# Altium PCB HACK_LINK_V1_new_power.PcbDoc (part 2 of 6) (continued)
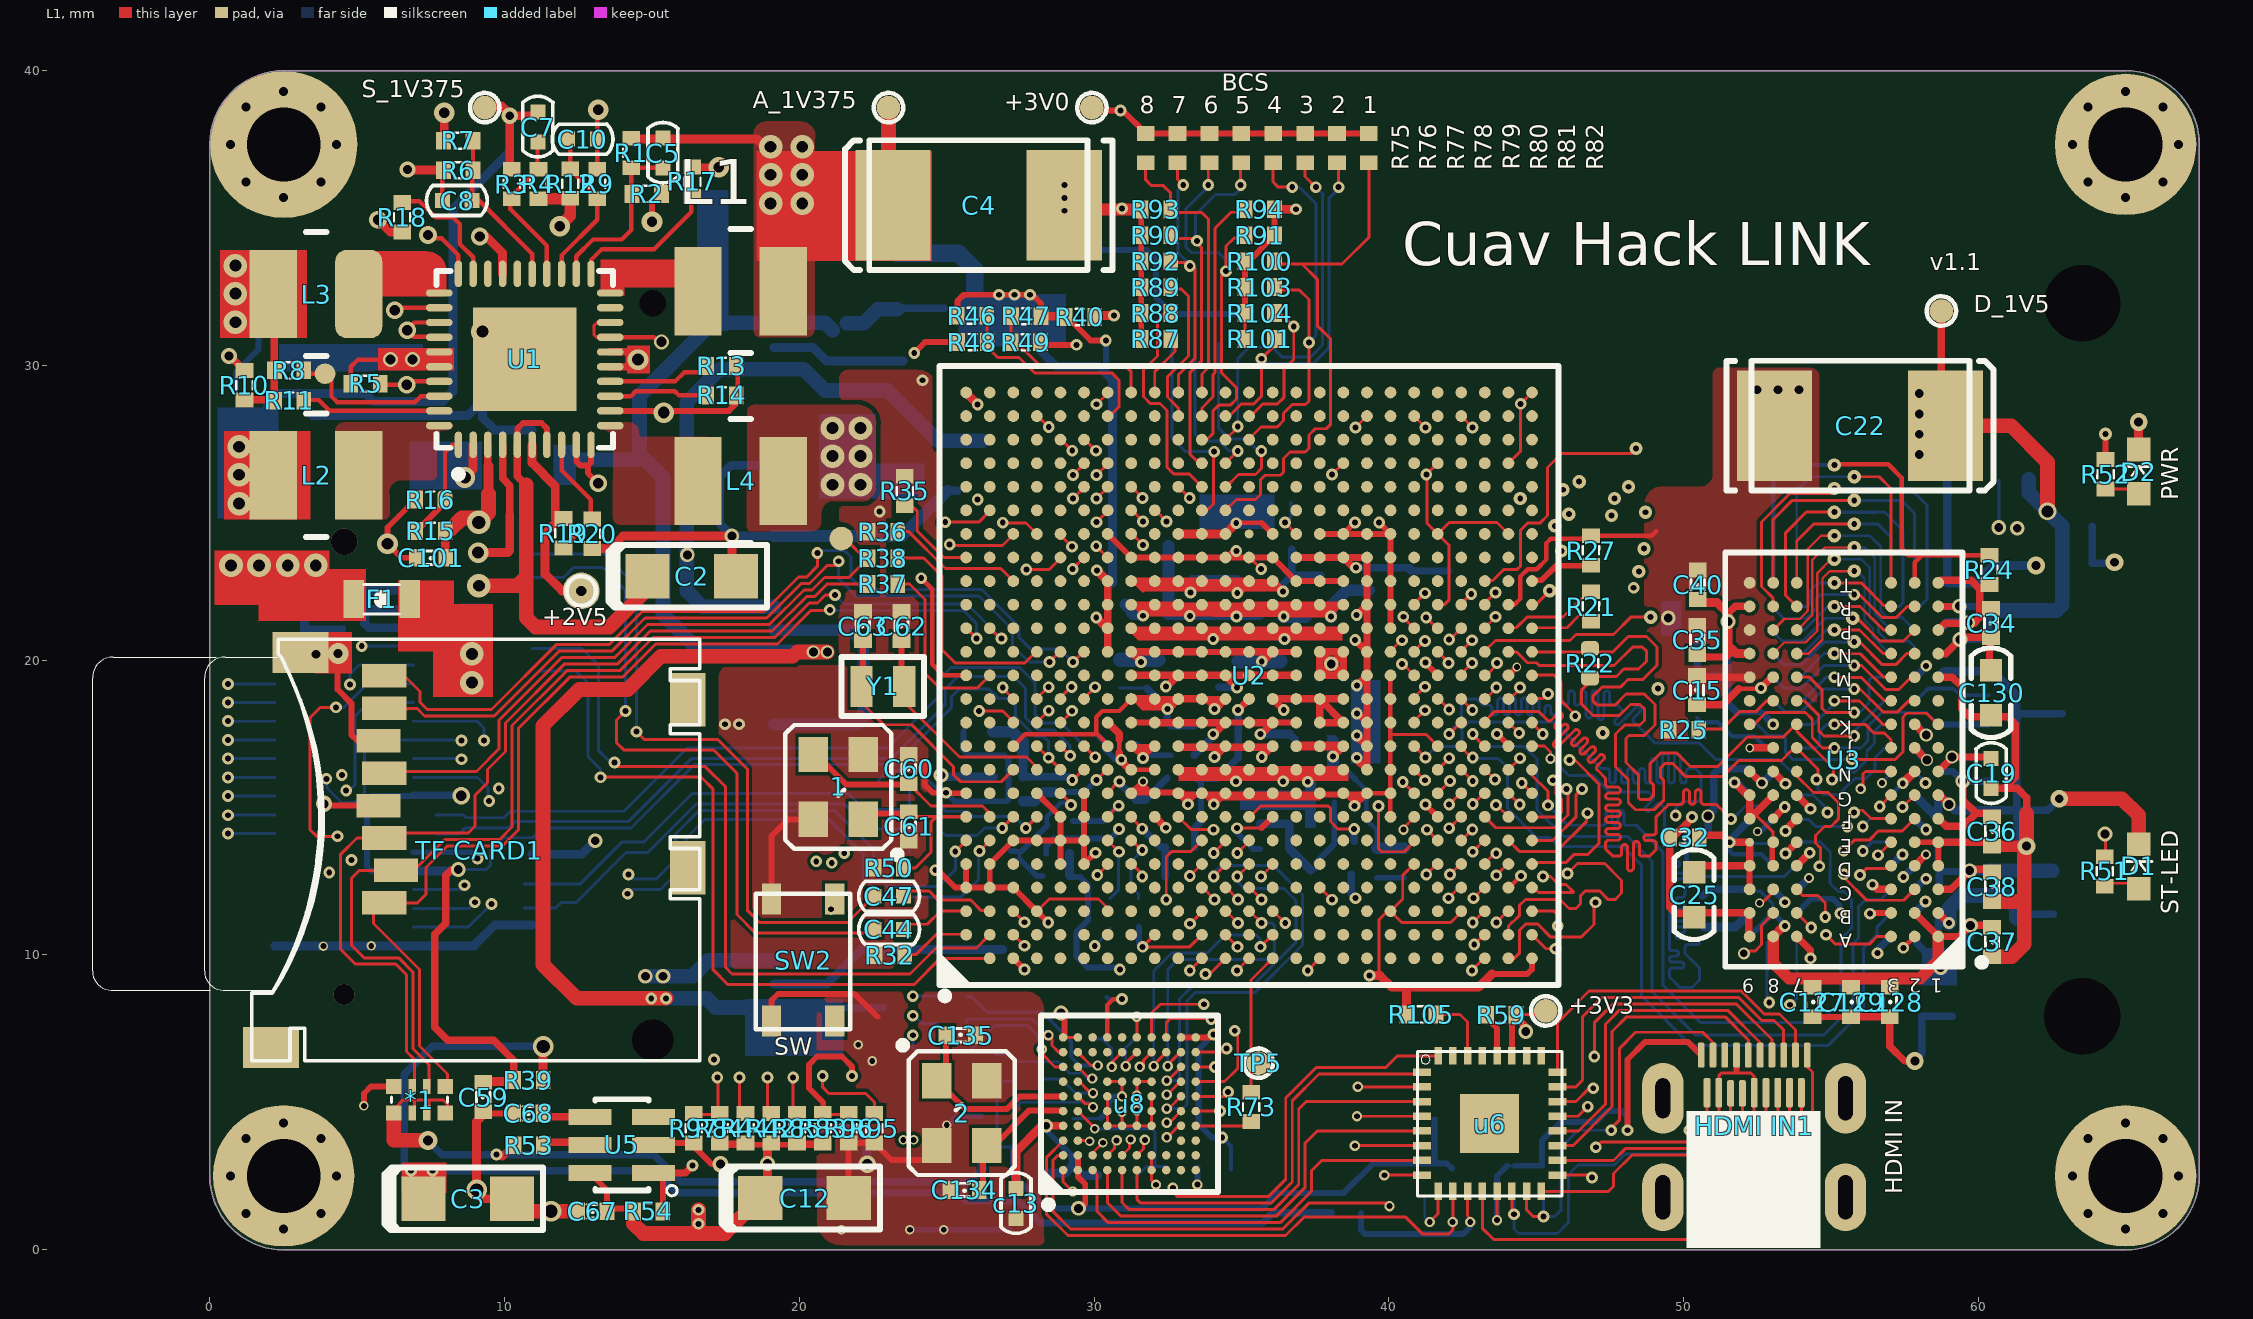
[diagram p0: L1 view]
## Nets (pads, with @x,y where several pads share a name; then routed paths per layer and width w, separated by ;. In a path a pad name is that pad's centre, name@x,y a point inside that pad or via, vN(x,y) a via of type N, cw(c..) or ccw(c..) an arc to the next point about the centre after c; other vN are vias at no path point) (continued)
  L1 w0.254: U2.H13@31.26,19.484 U2.J13@32.06,19.484 U2.K13@32.86,19.484 ; U2.J11@32.06,17.884 U2.K11@32.86,17.884 U2.L11@33.66,17.884 ; v1@32.485,19.109 U2.K13@32.86,19.484 ; U2.L11@33.66,17.834 U2.L11@33.66,17.884 ; v1@34.035,17.459 U2.M11@34.46,17.884 U2.L11@33.66,17.884 ; U2.M13@34.475,19.45 v1(34.85,19.075) ; U2.N11@35.26,17.884 U2.P11@36.06,17.884 v1@35.635,17.459 ; U2.R13@36.86,19.484 U2.P13@36.06,19.484 U2.N13@35.26,19.484 U2.M13@34.46,19.484 U2.L13@33.66,19.484 U2.K13@32.86,19.484
  L6 w0.1: v1@34.041,17.416 v1(34.041,17.49)
  L6 w0.25: C76.1@33.4,16.775 v1@34.041,17.416
  L6 w0.254: C74.1@34.225,19.075 v1(34.85,19.075) ; C77.1@36.635,17.49 C77.1@36.825,17.3
  L6 w0.3: v1(35.641,17.49) C77.1@36.635,17.49
  other v1: 32.435,19.109
+1V5_DDR: C10.1 C11.1 C20.1 C21.1 C22.A C23.1 C24.1 C25.1 C27.1 C28.1 C29.1 C30.1 C31.1 C32.1 C33.1 C34.1 C35.1 C36.1 C37.1 C38.1 C39.1 C40.1 C116.1 C117.1 C118.1 C119.1 C120.1 C121.1 C125.1 C126.1 C127.1 C128.1 C129.1 C130.1 C131.1 D_1V5.1 L4.2 pad.11@21.625,27.425 R9.2 R28.2 SH2.1 U2.R18 U2.T18 U2.U18 U2.V9 U2.V10 U2.V11 U2.V12 U2.V13 U2.V14 U2.V15 U2.V16 U2.V17 U2.V18 U3.A1 U3.A8 U3.B2 U3.C1 U3.C9 U3.D2 U3.D9 U3.E9 U3.F1 U3.G7 U3.H2 U3.H9 U3.K2 U3.K8 U3.N1 U3.N9 U3.R1 U3.R9 U4.A1 U4.A8 U4.B2 U4.C1 U4.C9 U4.D2 U4.D9 U4.E9 U4.F1 U4.G7 U4.H2 U4.H9 U4.K2 U4.K8 U4.N1 U4.N9 U4.R1 U4.R9 | length 124.1
  L1 w0.1: U3.K8@52.949,17.824 v2(53.044,17.824) ; v1@53.405,10.985 v1(53.438,10.985)
  L1 w0.15: R9.2@13.142,36.66 C10.1@13.142,37.679 v11@13.142,38.642 ; U3.H9@52.244,16.224 U3.H9@52.244,16.268 ; v2(53.044,17.824) 53.044,17.814 53.053,17.823 U3.K8@53.053,17.826
  L1 w0.2: U3.C9@52.244,12.224 U3.D9@52.244,13.024
  L1 w0.25: U2.R18@36.86,23.484 U2.T18@37.66,23.484 U2.U18@38.46,23.484 ; v1@38.785,23.159 U2.U18@38.46,23.484 ; v1(38.86,20.684) U2.V14@39.26,20.284 ; v1@38.885,16.659 U2.V9@39.26,16.284 U2.V10@39.26,17.084 ; v1@38.91,19.134 U2.V13@39.26,19.484 ; v1(38.91,21.534) U2.V16@39.26,21.884 ; v1@38.919,17.425 U2.V10@39.26,17.084 ; v1@38.935,18.209 U2.V11@39.26,17.884 ; C32.1@50.41,14.059 51.335,14.059 v1(51.57,13.824) U3.E9@52.244,13.824 U3.D9@52.244,13.024 C25.1@50.645,13.024 ; C35.1@50.466,20.19 50.547,20.109 51.46,20.109 51.685,20.334 ; U3.A8@53.035,10.615 U3.A8@53.044,10.624 ; U3.G7@53.844,15.424 v1(54.309,14.959) ; U3.B2@57.844,11.424 U3.A1@58.644,10.624 59.363,10.624 v4(59.741,11.003) C37.1@60.444,11.003 ; U3.C1@58.644,12.224 59.075,12.224 v4(59.71,12.859) 59.754,12.903 C38.1@60.444,12.903 ; U3.N1@58.644,20.224 58.9,20.224 v4(59.382,20.706) 59.454,20.778 C34.1@60.444,20.778 ; U3.R1@58.644,21.824 59.35,21.824 v4(59.36,21.834) ; C22.A@58.75,28.102 D_1V5.1@58.75,31.85 ; v4(59.473,15.896) 59.48,15.889 59.48,15.258 59.935,14.803 ; C130.1@60.385,19.609 C34.1@60.385,20.709 ; U2.U18@38.46,23.484 U2.V18@39.26,23.484 U2.V17@39.26,22.684 U2.V16@39.26,21.884 ; U2.V10@39.26,17.084 U2.V11@39.26,17.884 ; U2.V11@39.26,17.884 U2.V12@39.26,18.684 U2.V13@39.26,19.484 ; U2.V13@39.26,19.484 U2.V14@39.26,20.284 ; U2.V14@39.26,20.284 U2.V15@39.26,21.084 U2.V16@39.26,21.884
  L1 w0.254: 51.51,21.584 51.75,21.824 U3.R9@52.244,21.824 ; U3.H9@52.244,16.224 52.634,15.834 v19(52.66,15.834) ; U3.D2@57.844,13.024 v2(58.229,13.409) ; U3.K2@57.844,17.824 v9@58.209,17.459 ; U3.F1@58.644,14.624 58.909,14.359 59.491,14.359 59.935,14.803 C36.1@60.444,14.803
  L1 w0.3: C40.1@50.435,21.959 51.135,21.959 51.51,21.584 v4(51.51,21.309) 51.51,20.509 51.685,20.334 51.795,20.224 U3.N9@52.244,20.224 ; U3.A8@53.044,10.624 v1@53.405,10.985 ; v1(57.441,15.821) U3.H2@57.844,16.224
  L1 w0.4: U3.A8@53.044,10.624 53.044,9.725 53.569,9.2 58.026,9.2 58.644,9.818 U3.A1@58.644,10.624
  L1 w0.5: C22.A@59.118,27.959 61.116,27.959 62.35,26.725 v21(62.35,25.05)
  L2 w0.15: v11(13.175,38.675) 17.175,38.675 17.925,37.925 17.925,33.8 18.525,33.2 21.225,33.2 21.625,32.8 pad.11@21.625,27.425 pad.11@22.2,27.85
  L2 w0.3: pad.11@20.375,27.675 v5(21.125,26.925)
  L6 w0.1: U4.C1@52.244,12.175 52.584,12.175 53.044,11.715 U4.B2@53.044,11.424 U4.B2@53.101,11.424 ; C33.1@60.118,12.832 C33.1@60.141,12.855
  L6 w0.15: v1(51.57,13.824) 51.57,13.524 51.675,13.419 52.649,13.419 U4.D2@53.044,13.024 ; U4.G7@57.044,15.424 v1(57.441,15.821)
  L6 w0.154: 51.82,18.224 52.644,18.224
  L6 w0.2: U4.A1@52.244,10.624 U4.B2@53.044,11.424 v1@53.413,11.055
  L6 w0.25: v1(38.891,23.14) 40.71,23.14 C39.1@40.8,23.05 ; C39.1@40.725,23.025 C21.1@42.025,23.025 ; C116.1@50.65,12 50.874,12.224 U4.C1@52.244,12.224 ; v1@51.595,13.925 U4.F1@52.269,14.599 ; 52.644,18.224 v2(53.044,17.824) ; U4.G7@57.026,15.406 U4.G7@57.044,15.424 ; U4.C9@58.644,12.224 58.68,12.26 U4.D9@58.68,12.988 ; U4.H9@58.644,16.224 59.145,16.224 v4(59.473,15.896) C29.1@60.368,15.896 ; U4.N9@58.644,20.224 58.9,20.224 v4(59.382,20.706) 60.368,20.706 60.368,21.688 60.232,21.824 U4.R9@58.644,21.824 ; C33.1@60.118,12.832 58.836,12.832 U4.D9@58.68,12.988 ; C31.1@60.368,13.864 60.328,13.824 U4.E9@58.644,13.824 U4.D9@58.644,13.024 U4.D9@58.68,12.988
  L6 w0.254: C24.1@50.46,19.559 C27.1@50.46,20.684 ; C24.1@50.56,19.459 51.51,19.459 ; 51.82,18.224 51.51,18.534 51.51,19.459 ; U4.N1@52.244,20.224 51.72,20.224 51.51,20.434 ; U4.R1@52.244,21.824 51.75,21.824 51.51,21.584 v4(51.51,21.309) 51.51,20.434 ; v19@52.685,15.834 53.044,16.193 U4.H2@53.044,16.224 ; U4.A8@57.844,10.624 57.907,10.561 57.907,10.412 58.21,10.109 59.21,10.109 59.741,10.64 v4(59.741,11.003) C28.1@60.266,11.003 ; U4.K8@57.844,17.824 57.87,17.824 v9(58.235,17.459) ; 51.51,19.459 51.51,20.434
  L6 w0.5: C33.1@60.36,12.859 C131.1@62.509,12.859 ; C23.1@60.493,21.688 62.663,21.688 62.85,21.875 62.85,24.55 v21(62.35,25.05) 61.716,25.684 C20.1@61.716,26.135
  other v1: 38.916,16.69 38.916,17.44 38.916,18.19 38.916,19.14
  other v4: 58.725,9.575 58,26.975 58,27.667 58,28.358 58,29.05
  other v5: 21.125,25.95 22.075,25.95 22.075,26.925 21.125,27.875 22.075,27.875
+2V5: +2V5.1 C14.1 C45.1 R19.2 R31.1 U1.6 U2.G18 U2.K7 U2.R19 | length 65.4
  L1 w0.1: v1(30.075,23.869) U2.G18@30.46,23.484 ; U2.K7@32.85,14.7 33.296,14.254 v1@34.071,14.254 ; v1(36.475,24.669) U2.R19@36.86,24.284
  L1 w0.3: U1.6@10.932,27.309 10.932,26.693 11.719,25.906 R19.2@11.719,24.801 ; R19.2@11.869,24.801 11.375,24.307 11.375,22.925 11.95,22.35 v7(12.6,22.35)
  L3 w0.2: v7(12.6,22.35) 17.4,22.35 18.575,21.175 25,21.175 26,22.175 26,23.5 26.325,23.825 27.775,23.825 28.35,24.4 29.544,24.4 v1(30.075,23.869) ; v1(30.875,9.5) 30.875,11.2 32.975,13.3 32.975,14.45 ; v1(34.05,14.25) 33.175,14.25 32.975,14.45 ; v1(36.475,24.669) 36.475,24.075 35.925,23.525 35.425,23.525 35.186,23.286 33.186,23.286 32.951,23.051 32.951,22.783 32.147,21.979 31.465,21.979 31.171,21.685 31.171,18.279 32.675,16.775 32.675,14.75 32.975,14.45
  POWER w0.2: v1(30.075,23.869) 30.156,23.869 30.55,23.475 33.134,23.475 34.225,24.566 34.225,24.875 34.525,25.175 35.325,25.175 35.831,24.669 v1(36.475,24.669)
  L6 w0.1: v1(36.475,24.669) 36.675,24.869 C14.1@36.675,25.375
  L6 w0.2: C45.1@29.164,12.639 29.536,12.639 29.8,12.375 29.8,11.175 29.4,10.775 29.4,9.95 29.775,9.575 30.8,9.575 v1(30.875,9.5)
  L6 w0.3: C45.1@29.164,12.689 R31.1@29.164,13.44
+2V5_VDDHIGH_VPH: C104.1 C105.1 U2.H10 U2.J10 | length 3.3
  L1 w0.154: U2.H10@31.26,17.084 U2.J10@32.06,17.084 v1(31.66,16.684) U2.H10@31.26,17.084
  L6 w0.1: C105.1@31.425,17.101 C105.1@31.425,17.175
  L6 w0.2: v1@31.751,16.775 C104.1@32.6,16.775
  L6 w0.3: C105.1@31.425,17.101 v1@31.751,16.775
+3V0_ALWAYS: +3V0.1 C12.1 C67.1 C101.1 C106.1 R15.2 R42.2 R44.2 R54.2 R75.1 R76.1 R77.1 R78.1 R79.1 R80.1 R81.1 R82.1 R83.2 R84.2 R85.2 U1.3 U1.17 U1.18 U2.G11 U2.H9 U2.J9 U5.6 | length 127.8
  L1 w0.1: C67.1@13.475,1.4 C67.1@13.479,1.396 ; U1.17@13.582,30.959 13.116,30.959 13.025,31.05 13.025,31.35 13.134,31.459 U1.18@13.582,31.459
  L1 w0.15: U1.17@13.582,30.959 15.066,30.959 v15@15.325,30.7 ; 30.86,16.852 30.86,17.316
  L1 w0.154: U2.H9@31.26,16.284 U2.J9@32.06,16.284
  L1 w0.2: U5.6@12.9,2.601 13.475,2.026 C67.1@13.475,1.4 ; C67.1@13.479,1.396 R54.2@14.369,1.396 ; R44.2@18.02,3.559 18.92,3.559 R85.2@19.82,3.559 ; +3V0.1@29.925,38.675 29.95,38.65 v1(30.9,38.65) 30.975,38.65 R75.1@31.75,37.875 R76.1@32.832,37.875 R77.1@33.914,37.875 R78.1@34.996,37.875 R79.1@36.079,37.875 R80.1@37.161,37.875 R81.1@38.243,37.875 R82.1@39.325,37.875
  L1 w0.254: 9.432,26.687 U1.3@9.432,27.309 ; R84.2@17.256,3.571 R44.2@18.008,3.571 ; R85.2@19.907,3.581 R83.2@20.778,3.581 ; U2.G11@30.46,17.884 30.485,17.884 30.86,17.509 30.86,17.316 ; 30.86,16.852 30.86,16.634 31.21,16.284 U2.H9@31.26,16.284
  L1 w0.3: C101.1@7.987,23.488 R15.2@7.987,24.383 ; C12.1@18.92,1.92 v4(18.92,2.925) R42.2@18.92,3.559
  L1 w0.35: 9.454,25.639 9.454,26.59
  L1 w0.5: R15.2@8.156,24.429 8.552,24.825 8.975,24.825 v22(9.125,24.675) 9.454,25.004 9.454,25.639 ; R54.2@14.369,1.296 14.369,0.881 14.7,0.55 16.575,0.55 ; v1(16.575,1.35) 16.575,0.55 ; C12.1@18.675,1.75 17.475,0.55 16.575,0.55
  L2 w0.254: v22(9.125,24.675) 14.075,24.675 14.75,25.35 14.75,29.15 15.325,29.725 v15@15.325,30.7
  POWER w0.254: v22(9.125,24.675) 9.325,24.675 9.85,24.15 13.775,24.15 14.543,23.382 14.543,18.157 15.4,17.3 22.525,17.3 22.675,17.15 22.675,14.8 23,14.475 25.875,14.475 26.85,13.5 26.85,12.075 ; v15(15.325,30.8) 16.275,30.8 16.55,31.075 16.55,37.85 17.325,38.625 v1@30.875,38.625
  POWER w0.3: v4(18.92,2.925) 19.57,2.275 24.8,2.275 26.175,3.65 26.175,11.4 26.85,12.075 31.85,12.075 32.95,13.175 32.95,14.65 32.6,15 32.6,17.15 32.3,17.45 31.225,17.45 30.925,17.15 v1(30.925,16.625)
  L6 w0.2: C106.1@30.175,17.4 30.375,17.2 30.375,16.975 30.725,16.625 v1(30.925,16.625)
  other v1: 16.575,0.875
+3V3: "TF CARD1.4" *1.1 *1.2 *1.3 *1.4 +3V3.1 C8.1 C9.1 C108.1 C109.1 C110.1 C111.1 C112.1 C115.1 C122.1 C123.1 C124.1 C132.1 L3.2 pad.11@1.35,32.45 R6.2 R8.1 R10.1 R11.1 R13.2 R14.2 R40.2 R41.2 R46.2 R47.2 R52.2 R53.2 R55.2 R59.1 R62.2 SH1.2 U1.9 U1.10 U1.12 U1.30 U2.G14 U2.G15 U2.G16 U2.G17 U2.J7 U2.K19 U2.L19 U2.M19 U2.P7 U2.P19 u6.27 | length 239.6
  L1 w0.1: *1.1@6.31,4.634 6.31,4.834 6.56,5.084 7.91,5.084 8.06,4.934 *1.4@8.06,4.634 ; *1.2@6.935,4.634 6.935,5.084 ; *1.3@7.435,4.634 7.435,5.034 ; U2.G15@30.441,21.084 U2.G15@30.46,21.084 ; v1(34.85,14.3) 35.676,14.3 ; R59.1@44.319,7.971 R59.1@44.344,7.971 ; R59.1@44.344,7.856 R59.1@44.344,7.971 ; +3V3.1@45.196,7.971 R59.1@44.344,7.971
  L1 w0.15: L3.2@1.781,32.429 L3.2@2.187,32.023 ; R11.1@2.164,28.831 R11.1@2.187,28.854 ; v7(7.4,34.425) 7.4,34.525 7.612,34.312 7.863,34.312 8.432,33.743 U1.30@8.432,33.109 ; C8.1@7.884,35.597 R6.2@7.884,36.632 ; 12.825,26.6 12.829,26.596 ; R14.2@17.912,28.833 R13.2@17.912,29.833 ; v1@34.826,24.665 35.679,24.665
  L1 w0.2: v18@3.925,15.15 4.008,15.067 5.718,15.067 ; U1.9@12.432,27.309 12.432,26.748 12.58,26.6 12.825,26.6 12.932,26.707 U1.10@12.932,27.309 ; 12.829,26.596 12.829,26.346 v7(13.175,26) ; U1.12@13.582,28.459 17.609,28.459 17.912,28.762 R14.2@17.912,29.05 ; R46.2@25.36,31.686 25.36,32.185 25.575,32.4 27.9,32.4 28.197,32.103 R47.2@28.197,31.669 ; R40.2@29.087,31.646 29.883,30.85 v1(30.4,30.85) ; 35.676,14.3 U2.P7@36.06,14.684 ; 35.679,24.665 U2.P19@36.06,24.284 ; u6.27@44.175,6.575 R59.1@44.175,7.877 ; R52.2@64.321,26.806 v3(64.321,27.679)
  L1 w0.25: U2.G14@30.46,20.284 U2.G15@30.46,21.084 U2.G16@30.46,21.884 U2.G17@30.46,22.684
  L1 w0.254: R10.1@1.171,28.831 R11.1@2.164,28.831 ; R11.1@2.187,28.854 R8.1@2.187,29.833 L3.2@2.187,32.023 ; 9.923,3.15 R53.2@10.319,3.546 ; U2.J7@32.05,14.7 v1(32.435,14.315) ; R59.1@44.344,7.856 v4@44.675,7.525
  L1 w0.3: L3.2@1.781,32.429 L3.2@1.781,33.681 ; v14@6.7,36.634 R6.2@7.886,36.634 ; R47.2@28.197,31.669 R40.2@28.992,31.669 ; R40.2@29.019,31.646 R40.2@29.087,31.646 ; v1(30.075,21.45) U2.G15@30.441,21.084 ; v1(30.094,23.05) U2.G17@30.46,22.684 ; U2.K19@32.86,24.284 U2.L19@33.66,24.284 U2.M19@34.46,24.284 v1(34.826,24.65)
  L1 w0.5: *1.1@6.235,4.634 6.235,3.709 7.391,3.709 v20(7.4,3.7)
  L2 w0.2: 29.95,17.25 31.775,17.25 32.975,16.05 34.02,16.05 34.28,16.31 35.165,16.31 36.447,15.028 37.222,15.028 38.375,13.875 38.375,12.425 v1(38.875,11.925) v1@38.875,11.775 ; v1(32.435,14.315) 32.795,14.675 34.475,14.675 v1(34.85,14.3) 37.1,14.3 37.5,13.9 37.5,11.525 37.825,11.2 38.675,11.2 38.875,11.4
  L2 w0.254: v1@38.875,11.775 38.875,11.4 38.875,8.3 39.775,7.4 v4(44.65,7.4)
  L2 w0.3: v4(24.806,16.094) 24.806,16.506 25.19,16.89 26.993,16.89 27.353,17.25 29.95,17.25 30.7,18 30.7,20.825 v1(30.075,21.45)
  L2 w0.4: pad.11@1.775,33.625 7.125,33.625 7.4,33.9 v7(7.4,34.425) 7.4,35.85 ; v14(6.7,36.65) 7.25,36.65 7.4,36.5 7.4,35.85 ; v7(13.175,26) 13.175,34.95 12.275,35.85 7.4,35.85
  L3 w0.2: v1(34.826,24.65) 34.826,25.376 35.225,25.775 35.725,25.775 36.4,26.45 36.4,29.525 36.975,30.1 63.175,30.1 64.321,28.954 v3(64.321,27.679)
  L3 w0.254: v5(0.866,32.44) 1.535,32.44 2.25,31.725 2.25,26.8 2.975,26.075 6.55,26.075 7.125,25.5 7.125,22.3 6.4,21.575 3.55,21.575 2.875,20.9 2.875,15.125 3.325,14.675 ; v18(3.875,15.126) v18@3.776,15.126 ; v18@3.925,15.15 3.8,15.15 v18@3.776,15.126 ; v20(7.4,3.7) 7.4,10.15 5.825,11.725 4.125,11.725 3.325,12.525 3.325,14.675 ; 3.325,14.675 v18@3.776,15.126
  L3 w0.3: v7(13.175,26) 13.175,27 14.575,28.4 v10(15.4,28.4)
  POWER w0.3: v1(30.094,23.05) 33.226,23.05 v1(34.826,24.65)
  L6 w0.1: v1@34.85,14.15 v1(34.85,14.3) ; 38.721,12.079 v1(38.875,11.925)
  L6 w0.2: 27.175,32 28.75,32 ; 30.363,29.762 30.4,29.8 v1(30.4,30.85) ; v1@34.85,14.15 35.4,13.6 C122.1@35.625,13.6
  L6 w0.254: v20(7.4,3.7) 7.875,3.225 15.054,3.225 15.979,2.3 25.79,2.3 R62.2@26.244,2.754 ; R62.2@26.175,2.823 C123.1@26.175,3.525 ; 38.721,12.079 R55.2@38.721,12.744
  L6 w0.3: v4@24.856,16.044 R41.2@26.585,16.044 ; 28.15,31.375 28.15,30.525 28.7,29.975 30.15,29.975 30.363,29.762 30.625,29.5 C109.1@30.625,22.625
  L6 w0.6: SH1.2@23.31,33.809 25.391,33.809 25.954,33.246 25.954,31.546 26,31.5
  other v1: 9.725,3.225 26.775,32.4 27.3,32.4 27.825,32.4
  other v5: 0.866,31.465 0.866,33.39
+5V_USB_VBUS: C59.2 con1.12 con1.16 R39.1 U2.D10 U2.E9 | length 45
  L1 w0.1: U2.D10@28.05,17.1 v1(28.46,16.69) U2.E9@28.85,16.3
  L1 w0.25: v4(8.425,12.9) 8.2,12.9 8,12.7 8,11.075 7.625,10.7 7.625,7.55 8.075,7.1 9.625,7.1 10.306,6.419 R39.1@10.306,5.629
  L1 w0.3: C59.2@9.325,5.7 R39.1@10.252,5.7
  L6 w0.1: v4(8.425,12.9) 9.375,12.9 9.525,13.05 9.525,13.55 9.95,13.975 10.95,13.975 11.281,14.306 14.286,14.306 16.436,16.456 23.224,16.456 23.243,16.475 23.25,16.475 25.17,18.395 25.17,18.77 25.425,19.025 26.427,19.025 26.747,18.705 27.095,18.705 27.332,18.468 27.332,18.082 28.009,17.405 28.295,17.405 28.46,17.24 v1(28.46,16.69)
  L6 w0.2: con1.16@6.9,12.847 5.478,12.847 5.325,13 5.325,15.218 5.494,15.387 con1.12@6.9,15.387
  L6 w0.254: con1.12@6.891,15.418 v16@8.488,15.418
  L6 w0.3: con1.16@6.9,12.847 v4@8.372,12.847
  other v16: 8.525,15.4
+DDR_VREF: C15.1 C16.1 C17.1 C18.1 C19.1 C20.2 C26.1 R28.1 R29.2 U2.AC2 U3.H1 U3.M8 U4.H1 U4.M8 | length 49.9
  L1 w0.1: v1(42.9,10.35) U2.AC2@43.25,10.7
  L1 w0.15: 51.875,19.024 v1@52.635,19.024
  L1 w0.254: C15.1@50.46,18.484 51.335,18.484 51.875,19.024 ; v1@52.61,19.034 v1(52.635,19.059) 53,19.424 U3.M8@53.044,19.424 ; U3.H1@58.644,16.224 v9@59.085,16.665 ; v9@59.16,16.715 C19.1@60.291,16.715
  L2 w0.5: v1(58.235,19.809) 58.235,19.215 59.11,18.34 v9(59.11,16.715)
  L2 w0.6: v1(58.235,19.809) 58.235,23.635 59.075,24.475 60.7,24.475 v4(60.7,24.5) ; 59.425,24.475 v4(61.325,24.475)
  POWER w0.15: 52.635,16.519 ccw(c52.72,16.519) 52.66,16.459
  POWER w0.3: v1(52.635,19.059) 53.341,19.059 53.775,18.625 53.775,16.675
  POWER w0.5: v1(42.9,10.35) 43.944,10.35 44.91,9.384 49.91,9.384 50.885,10.359 50.885,16.524 ; 56.055,16.179 56.28,16.179 57.135,17.034 57.135,17.609 57.66,18.134 59.11,18.134 ; v1(58.235,19.809) 59.11,18.934 59.11,18.134 ; v9(59.11,16.715) 59.11,18.134
  L6 w0.1: v4(60.7,24.5) C20.2@60.7,26.119
  L6 w0.254: C17.1@50.835,14.159 v9(50.835,14.709) 51.035,14.909 51.035,16.149 51.21,16.324 U4.H1@52.244,16.324 ; U4.M8@57.844,19.424 57.875,19.424 v1@58.21,19.759 ; v9(59.11,16.715) C18.1@60.291,16.715
+NVCC_CSI: R55.1 U2.N7 | length 4.7
  L1 w0.1: U2.N7@35.26,14.684 35.284,14.684 35.654,15.054 37.946,15.054 38.03,14.97 38.03,14.531 38.022,14.523 38.271,14.275 v1(38.825,14.275)
  L6 w0.254: R55.1@38.825,13.848 v1(38.825,14.275)
+PCIE_VP: C41.1 R30.2 U2.H7 | length 2.5
  L1 w0.1: U2.H7@31.25,14.7 U2.H7@31.301,14.7 ; U2.H7@31.276,14.643 v1(31.635,14.284) v1@31.66,14.259
  L6 w0.254: v1(31.635,14.284) 32.265,13.654 R30.2@32.419,13.654 ; C41.1@32.419,12.654 R30.2@32.419,13.556
+PCIE_VPH: C46.1 R31.2 U2.G7 | length 2.4
  L1 w0.1: U2.G7@30.45,14.7 v1@30.86,15.11
  L6 w0.2: R31.2@29.289,14.54 29.299,14.55 30.3,14.55 v1@30.86,15.11
  other v1: 30.835,15.06
+PCIE_VPTX: C43.1 FB1.2 U2.G8 | length 2.7
  L1 w0.1: U2.G8@30.45,15.5 30.501,15.5 v1@30.785,15.884
  L6 w0.254: v1@30.81,15.884 31.419,15.275 ; 31.75,15.275 FB1.2@32.475,16
  L6 w0.3: 31.419,15.275 31.75,15.275
  other v1: 30.86,15.884
+VDD_SNVS_CAP: C107.1 U2.G9 | length 3.3
  L1 w0.1: v1(30.085,15.935) U2.G9@30.45,16.3
  L6 w0.2: 28.65,15.525 29.675,15.525 v1(30.085,15.935)
  L6 w0.35: C107.1@27.591,15.215 27.99,15.215 28.3,15.525 28.65,15.525
+VDDPU: C95.1 C96.1 C97.1 C98.1 C99.1 C100.1 U2.H17 U2.J17 U2.K17 U2.L17 U2.M17 U2.N17 U2.P17 | length 12
  L1 w0.25: U2.H17@31.26,22.684 U2.J17@32.06,22.684 U2.K17@32.86,22.684 U2.L17@33.66,22.684 ; U2.L17@33.66,22.634 U2.M17@34.46,22.634 ; U2.N17@35.26,22.634 U2.P17@36.06,22.634 ; U2.P17@36.06,22.684 v1(36.41,22.334) ; v1(34.86,22.284) U2.N17@35.26,22.684 ; v1(34.86,22.284) 34.96,22.329 35.26,22.629 U2.N17@35.26,22.684 ; v1(34.86,22.284) U2.M17@34.46,22.684 U2.N17@35.26,22.684
  L6 w0.25: v1(33.275,22.3) 33.275,22.708 33.326,22.759 34.86,22.759 v1(34.86,22.284) ; v1(36.41,22.334) 36.41,22.584 36.716,22.89 C100.1@37.691,22.89 ; C95.1@36.71,22.896 C97.1@36.71,23.759
+VDDUSB: c57.2 C58.2 R41.1 U2.F9 | length 4.5
  L1 w0.1: v1@29.259,15.909 U2.F9@29.65,16.3
  L6 w0.1: R41.1@27.585,15.994 R41.1@27.585,16.04
  L6 w0.25: R41.1@27.585,16.04 v1@29.128,16.04
  L6 w0.3: R41.1@27.585,16.04 C58.2@27.585,16.759
  L6 w0.4: c57.2@26.575,17.575 27.225,17.575 27.591,17.209 C58.2@27.591,16.765
  other v1: 29.259,15.934
+VIN: C1.1 C2.1 C3.1 C64.1 C65.1 C66.1 F1.2 pad.11@2.15,23.2 R5.1 R17.2 R39.2 R58.1 U1.2 U1.5 U1.7 U1.15 U1.16 U1.27 U1.35 U1.36 | length 91.9
  L1 w0.1: C2.1@14.85,22.125 C2.1@14.85,22.85
  L1 w0.15: R5.1@4.781,29.329 4.781,29.956 5.025,30.2 v15(6.125,30.2)
  L1 w0.2: U1.5@10.432,27.309 10.432,27.857 10.625,28.05 11.25,28.05 11.432,27.868 U1.7@11.432,27.309
  L1 w0.254: U1.5@10.432,27.309 10.432,26.245 10.729,25.948 ; U1.15@13.582,29.959 14.567,29.959 14.567,30.459 U1.16@13.582,30.459 ; R17.2@16.371,36.731 v11(17.269,36.731)
  L1 w0.3: v10(8.65,26.2) 8.932,26.482 U1.2@8.932,27.309 ; v7(9.15,34.375) 9.375,34.375 9.932,33.818 U1.27@9.932,33.109 ; R39.2@11.306,5.629 v13(11.306,6.894)
  L1 w0.5: v5(9.125,22.525) 10.425,22.525 10.729,22.829 ; 10.729,25.948 10.729,22.829 ; C2.1@14.988,22.562 13.55,21.125 11.05,21.125 10.729,21.446 10.729,22.829
  L3 w0.254: v10(14.525,30.2) 16.45,30.2 17.269,31.019 v11(17.269,36.731)
  L3 w0.5: v5(9.125,22.525) 10.2,22.525 11.306,21.419 v13(11.306,6.894)
  L6 w0.254: v13(11.306,6.894) 7.544,6.894 6.6,5.95 6.6,2.9 v1(6.825,2.675) 15.075,2.675 15.824,1.926 25.374,1.926 25.65,1.65 27.435,1.65 28.182,0.903 35.719,0.903 36.062,1.246 R58.1@38.056,1.246
  other v1: 7.55,2.675
  other v5: 0.716,23.215 1.666,23.215 2.641,23.215 3.591,23.215
  other v15: 6.875,30.2
ARM_1V375: A_1V375.1 C4.1 C5.1 C87.1 C88.1 C89.1 C90.1 C91.1 C92.1 C93.1 C94.1 L1.2 pad.11@19.65,36 R1.2 U2.H16 U2.J16 U2.K16 U2.L16 U2.M16 U2.N16 U2.P16 U2.R16 U2.T16 U2.U16 | length 37
  L1 w0.15: L1.2@19.104,32.434 L1.2@19.104,33.846
  L1 w0.2: U2.H16@31.26,21.884 U2.J16@32.06,21.884 U2.K16@32.86,21.884 32.88,21.864 33.64,21.864 U2.L16@33.66,21.884 U2.M16@34.46,21.884 34.48,21.864 35.034,21.864 35.054,21.884 U2.N16@35.26,21.884 U2.P16@36.06,21.884 ; v1@36.435,21.459 36.435,21.509 U2.P16@36.06,21.884 ; U2.U16@38.46,21.884 U2.T16@37.66,21.884 U2.R16@36.86,21.884 U2.P16@36.06,21.884
  L1 w0.3: R1.2@14.55,37.681 18.569,37.681 19.481,36.769 L1.2@19.481,32.529
  L1 w0.5: C4.1@23.025,35.598 A_1V375.1@23.025,38.75
  L3 w0.5: v1(31.66,21.509) v1@38.035,21.509
  L6 w0.4: C87.1@31.066,21.89 31.341,21.615 ; C90.1@32.525,21.615 C93.1@32.525,23.875 ; v1@38.035,21.459 38.035,21.835 38.575,22.375 C94.1@39.325,22.375
  L6 w0.5: 31.341,21.615 v1@31.66,21.615 ; C90.1@32.525,21.615 C88.1@35.591,21.615 ; v1@36.435,21.515 37.166,21.515
  other v1: 34.835,21.484 36.435,21.484 38.035,21.484 33.25,21.5
  other v5: 19.025,35.5 20.1,35.5 19.025,36.475 20.1,36.475 19.025,37.425 20.1,37.425
BOARD_VARIANT_0: R46.1 R48.2 U2.G24 | length 7.3
  L1 w0.1: R48.2@26.331,30.679 26.735,30.275 27.45,30.275 27.975,29.75 30.6,29.75 30.85,29.5 30.85,28.6 30.534,28.284 U2.G24@30.46,28.284 ; R48.2@26.372,30.794 R46.1@26.372,31.674
BOARD_VARIANT_1: R47.1 R49.2 U2.H25 | length 6
  L1 w0.1: R49.2@27.185,30.786 R47.1@27.185,31.657 ; R49.2@27.219,30.696 27.219,30.681 27.475,30.681 28.131,30.025 31.025,30.025 31.26,29.79 U2.H25@31.26,29.084
BOOT_MODE0: R84.1 R97.2 U2.C12 | length 23.6
  L1 w0.1: R97.2@16.421,4.583 17.244,4.583 v1@17.244,5.762 ; v1(26.9,19.075) 26.9,19.05 U2.C12@27.25,18.7
  L3 w0.1: v1@17.125,5.85 18.065,6.79 18.065,16.121 19.599,17.655 26.105,17.655 26.9,18.45 v1(26.9,19.075)
  other v1: 17.216,5.84
BOOT_MODE1: R83.1 R96.2 U2.F12 | length 30.2
  L1 w0.1: R83.1@20.81,4.581 R96.2@21.678,4.581 ; U2.F12@29.65,18.7 v1(30.035,19.085)
  L1 w0.2: R83.1@20.81,4.581 20.81,4.99 20.325,5.475 20.325,6.275 20.6,6.55 21.45,6.55 21.791,6.209 v1(21.791,5.89)
  L3 w0.1: v1@21.8,5.775 21.375,6.2 21.375,6.875 21,7.25 19.275,7.25 19.165,7.36 19.165,15.665 20.05,16.55 26.625,16.55 27.3,17.225 29.136,17.225 30.035,18.124 v1(30.035,19.085)
BT_CFG1_0: R86.2 U2.L20 | length 7
  L1 w0.1: U2.L20@33.66,25.084 33.834,25.084 34.05,25.3 34.05,26.9 v1@34.1,26.95
  L6 w0.1: R86.2@32.65,30.75 32.65,27.525 33.1,27.075 v1(34.075,27.075)
BT_CFG1_1: R87.2 U2.J25 | length 2
  L1 w0.1: U2.J25@32.06,29.084 32.06,29.785 32.75,30.475 R87.2@32.75,30.8
BT_CFG1_2: R88.2 U2.L21 | length 7.9
  L1 w0.1: R88.2@32.725,31.81 32.435,31.81 32.15,31.525 32.15,30.325 31.675,29.85 31.675,28.946 31.907,28.714 32.236,28.714 32.475,28.475 32.475,26.546 32.707,26.314 33.23,26.314 U2.L21@33.66,25.884
BT_CFG1_3: R89.2 U2.K24 | length 5.2
  L1 w0.1: R89.2@32.65,32.592 32.958,32.592 33.2,32.35 33.2,30.325 32.49,29.615 32.49,28.931 32.86,28.561 U2.K24@32.86,28.284
BT_CFG1_4: R78.2 R90.2 U2.L22 | length 12.5
  L1 w0.1: R90.2@32.6,34.314 33.336,34.314 33.64,34.01 33.64,30.143 33.25,29.753 33.25,27 33.566,26.684 U2.L22@33.66,26.684 ; v1@34.975,36 R78.2@34.975,36.854
  L6 w0.1: v1@33.445,34.205 33.445,35.12 34.125,35.8 34.775,35.8 v1@34.975,36
  other v1: 33.495,34.23 34.975,36.125
BT_CFG1_5: R77.2 R91.2 U2.L23 | length 13.6
  L1 w0.1: U2.L23@33.66,27.484 33.834,27.484 34.03,27.68 34.03,28.455 34.229,28.654 34.613,28.654 34.617,28.65 34.83,28.863 34.83,29.248 34.325,29.753 34.325,33.05 v1(34.475,33.2) 34.475,34.05 34.745,34.32 R91.2@35.125,34.32 ; v1@33.875,36.075 33.875,36.836 R77.2@33.914,36.875
  L6 w0.1: v1@33.95,36.15 33.125,35.325 33.125,34.002 33.302,33.825 34.225,33.825 34.475,33.575 v1(34.475,33.2)
  other v1: 33.875,36.125
BT_CFG1_6: R76.2 R92.2 U2.K25 | length 9
  L1 w0.1: R92.2@32.65,33.487 33.238,33.487 33.42,33.305 33.42,30.234 32.86,29.674 U2.K25@32.86,29.084 ; R76.2@32.832,36.875 32.832,36.318 v1(33.025,36.125)
  L6 w0.1: v1(33.025,36.125) 32.85,35.95 32.85,33.825 v1@33.225,33.45
  other v1: 33.25,33.375
BT_CFG1_7: R75.2 R93.2 U2.L25 | length 9.5
  L1 w0.1: R75.2@31.75,36.875 31.75,36.3 31.95,36.1 32.35,36.1 32.6,35.85 R93.2@32.6,35.293 ; R93.2@32.6,35.193 33.657,35.193 33.885,34.965 33.885,29.935 33.665,29.715 33.665,29.089 U2.L25@33.66,29.084
BT_CFG2_0: R94.2 U2.L24 | length 7.8
  L1 w0.1: U2.L24@33.66,28.284 33.66,28.561 34.03,28.931 34.03,29.68 34.105,29.755 34.105,34.655 34.65,35.2 R94.2@35.125,35.2
BT_CFG2_1: R98.2 U2.M21 | length 6.7
  L1 w0.1: U2.M21@34.46,25.884 34.484,25.884 34.9,26.3 35.475,26.3 35.675,26.5 v1(35.675,27.1)
  L6 w0.1: R98.2@34.217,30.75 34.217,27.883 34.6,27.5 35.175,27.5 35.575,27.1 v1(35.675,27.1)
BT_CFG2_2: R99.2 U2.M22 | length 5.4
  L1 w0.1: U2.M22@34.46,26.684 v1(34.875,27.099) v1@34.875,27.15
  L6 w0.1: R99.2@33.433,30.75 33.425,30.742 33.425,27.675 33.655,27.445 34.228,27.445 34.574,27.099 v1(34.875,27.099)
BT_CFG2_3: R82.2 R100.2 U2.M20 | length 17.5
  L1 w0.1: U2.M20@34.46,25.084 34.83,25.454 35.479,25.454 35.65,25.625 35.65,26.125 35.8,26.275 36.325,26.275 36.43,26.38 36.43,26.842 36.65,27.062 37.162,27.062 37.29,27.19 37.29,27.637 37.507,27.854 37.879,27.854 38.03,28.005 38.03,30.895 37.575,31.35 37.575,32.925 37.06,33.44 ; R100.2@36.125,33.44 37.06,33.44 ; R82.2@39.325,36.875 39.325,34.35 38.415,33.44 37.06,33.44
BT_CFG2_4: R81.2 R101.2 U2.M24 | length 12.4
  L1 w0.1: U2.M24@34.46,28.284 34.584,28.284 35,28.7 35.425,28.7 35.675,28.95 v1(35.675,30.23) R101.2@36.15,30.705 ; v1@38.3,36 R81.2@38.3,36.818
  L6 w0.1: v1(35.675,30.23) 35.83,30.075 37.45,30.075 37.975,30.6 37.975,35.675 v1@38.3,36
  other v1: 38.3,36.05